# Altium PCB UZ_A_MAX11331_Daughter.PcbDoc (part 1 of 7) (continued)
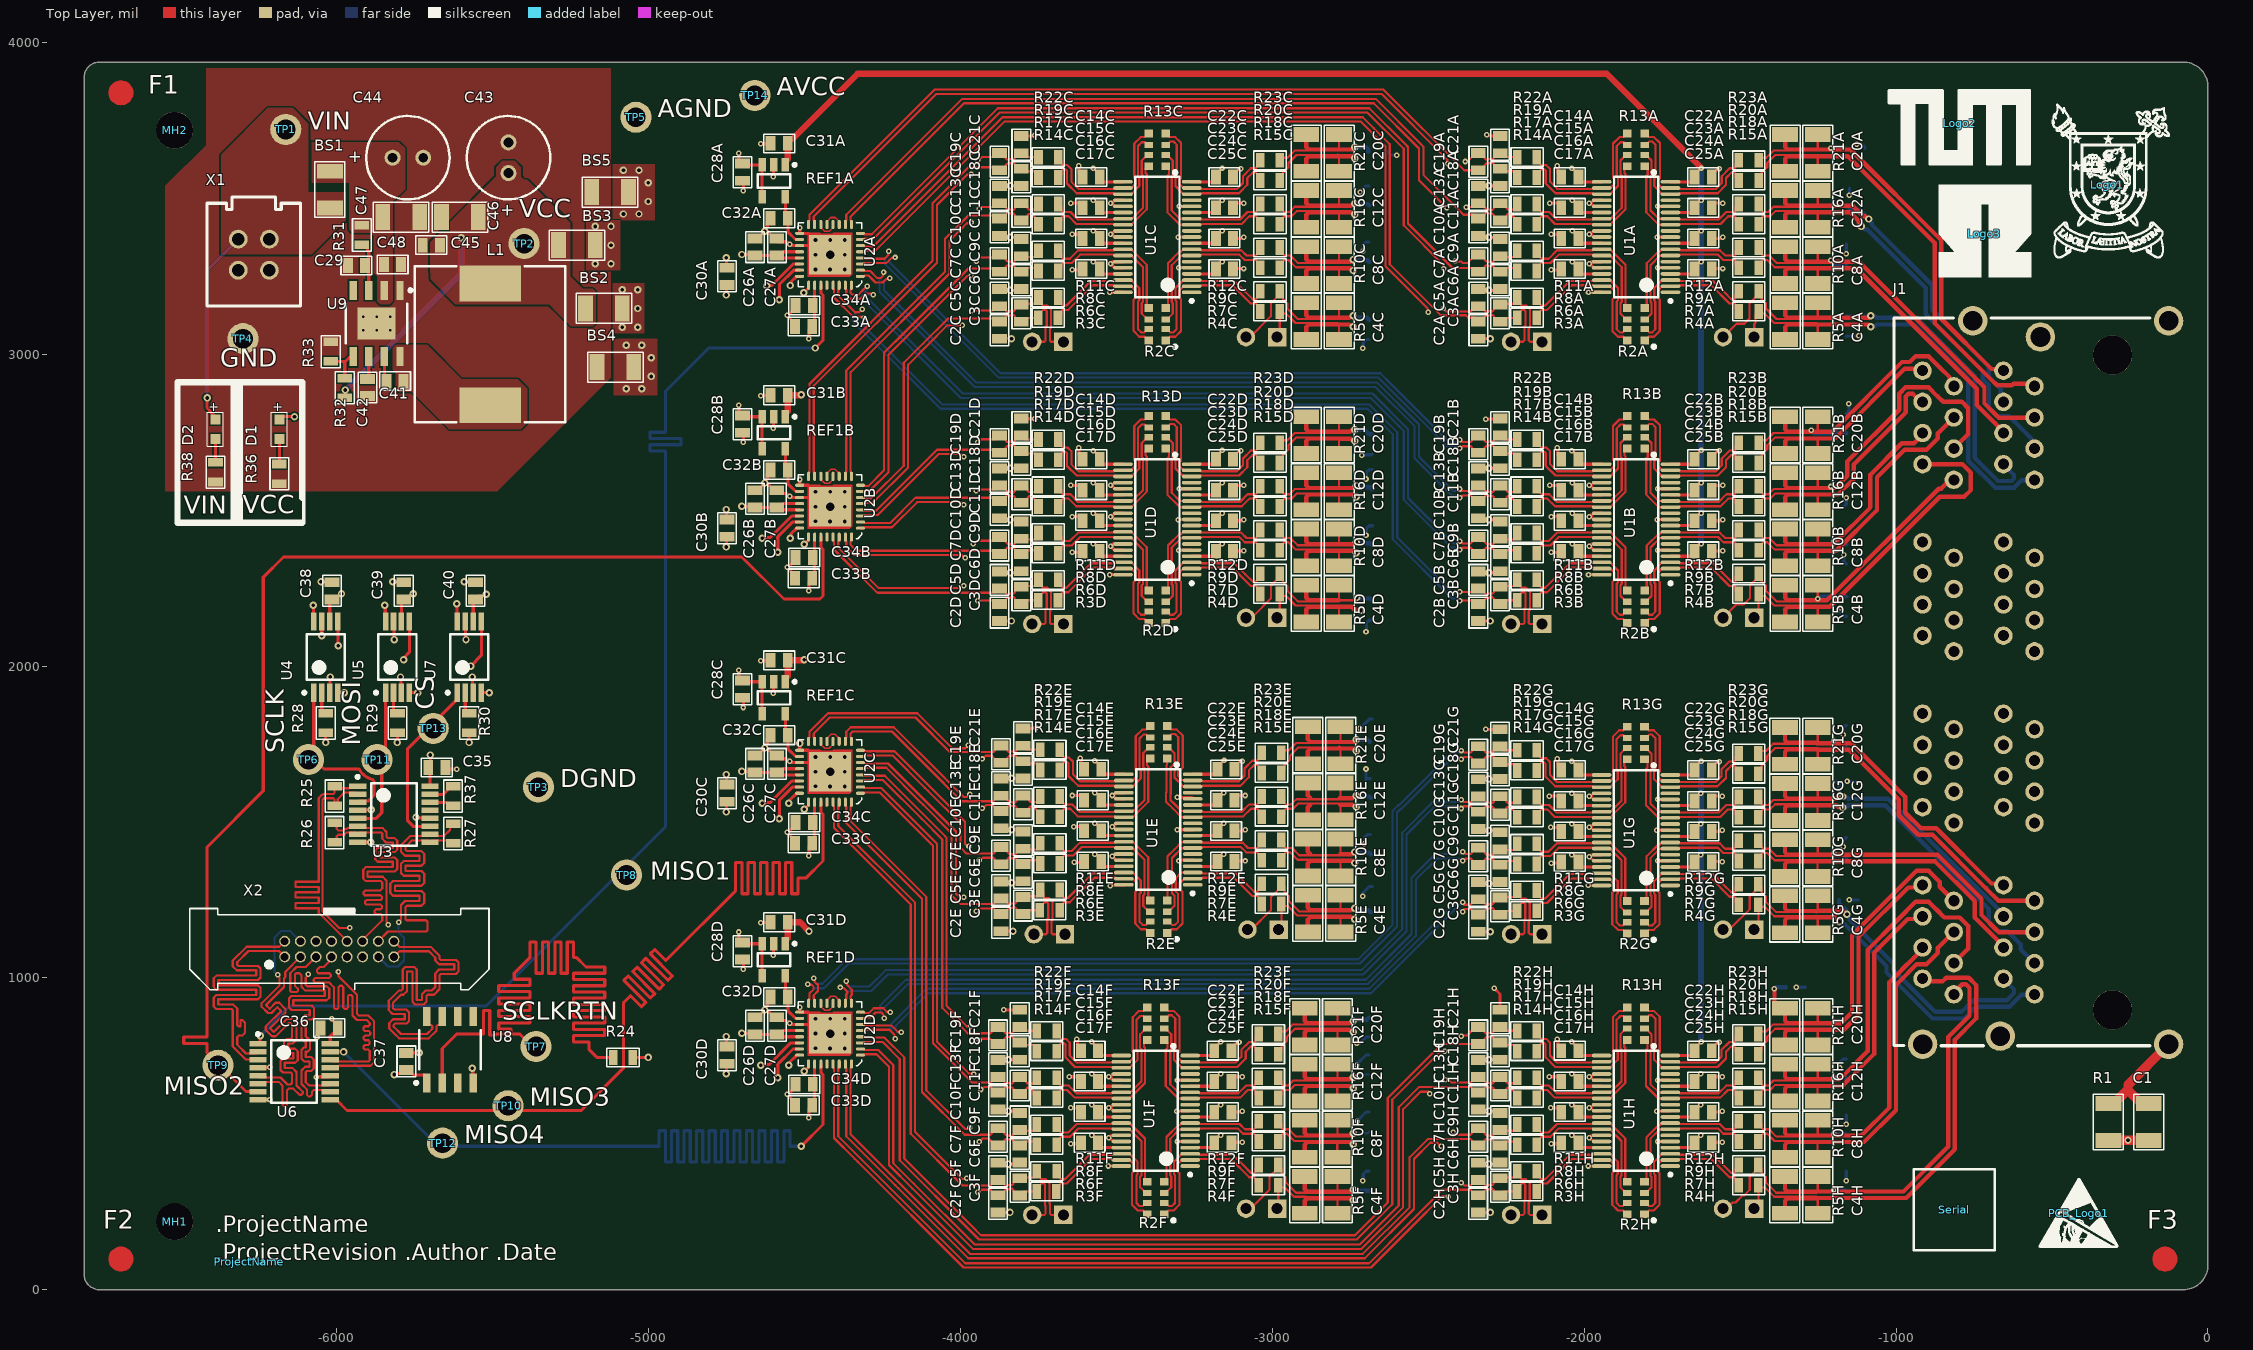
[diagram p0: Top Layer view]
## Classes and differential pairs (continued)
differential pair FB4H: +FB4H_P -FB4H_N
differential pair FB4G: +FB4G_P -FB4G_N
differential pair FB4F: +FB4F_P -FB4F_N
differential pair FB4E: +FB4E_P -FB4E_N
differential pair FB4D: +FB4D_P -FB4D_N
differential pair FB4C: +FB4C_P -FB4C_N
differential pair FB4B: +FB4B_P -FB4B_N
differential pair FB4A: +FB4A_P -FB4A_N
differential pair FB3H: +FB3H_P -FB3H_N
differential pair FB3G: +FB3G_P -FB3G_N
differential pair FB3F: +FB3F_P -FB3F_N
differential pair FB3E: +FB3E_P -FB3E_N
differential pair FB3D: +FB3D_P -FB3D_N
differential pair FB3C: +FB3C_P -FB3C_N
differential pair FB3B: +FB3B_P -FB3B_N
differential pair FB3A: +FB3A_P -FB3A_N
differential pair FB2H: +FB2H_P -FB2H_N
differential pair FB2G: +FB2G_P -FB2G_N
differential pair FB2F: +FB2F_P -FB2F_N
differential pair FB2E: +FB2E_P -FB2E_N
differential pair FB2D: +FB2D_P -FB2D_N
differential pair FB2C: +FB2C_P -FB2C_N
differential pair FB2B: +FB2B_P -FB2B_N
differential pair FB2A: +FB2A_P -FB2A_N
differential pair FB1H: +FB1H_P -FB1H_N
differential pair FB1G: +FB1G_P -FB1G_N
differential pair FB1F: +FB1F_P -FB1F_N
differential pair FB1E: +FB1E_P -FB1E_N
differential pair FB1D: +FB1D_P -FB1D_N
differential pair FB1C: +FB1C_P -FB1C_N
differential pair FB1B: +FB1B_P -FB1B_N
differential pair FB1A: +FB1A_P -FB1A_N
differential pair CS: +CS_P -CS_N
differential pair AIN4H: +AIN4H_P -AIN4H_N
differential pair AIN4G: +AIN4G_P -AIN4G_N
differential pair AIN4F: +AIN4F_P -AIN4F_N
differential pair AIN4E: +AIN4E_P -AIN4E_N
differential pair AIN4D: +AIN4D_P -AIN4D_N
differential pair AIN4C: +AIN4C_P -AIN4C_N
differential pair AIN4B: +AIN4B_P -AIN4B_N
differential pair AIN4A: +AIN4A_P -AIN4A_N
differential pair AIN3H: +AIN3H_P -AIN3H_N
differential pair AIN3G: +AIN3G_P -AIN3G_N
differential pair AIN3F: +AIN3F_P -AIN3F_N
differential pair AIN3E: +AIN3E_P -AIN3E_N
differential pair AIN3D: +AIN3D_P -AIN3D_N
differential pair AIN3C: +AIN3C_P -AIN3C_N
differential pair AIN3B: +AIN3B_P -AIN3B_N
differential pair AIN3A: +AIN3A_P -AIN3A_N
differential pair AIN2H: +AIN2H_P -AIN2H_N
differential pair AIN2G: +AIN2G_P -AIN2G_N
differential pair AIN2F: +AIN2F_P -AIN2F_N
differential pair AIN2E: +AIN2E_P -AIN2E_N
differential pair AIN2D: +AIN2D_P -AIN2D_N
differential pair AIN2C: +AIN2C_P -AIN2C_N
differential pair AIN2B: +AIN2B_P -AIN2B_N
differential pair AIN2A: +AIN2A_P -AIN2A_N
differential pair AIN1H: +AIN1H_P -AIN1H_N
differential pair AIN1G: +AIN1G_P -AIN1G_N
differential pair AIN1F: +AIN1F_P -AIN1F_N
differential pair AIN1E: +AIN1E_P -AIN1E_N
differential pair AIN1D: +AIN1D_P -AIN1D_N
differential pair AIN1C: +AIN1C_P -AIN1C_N
differential pair AIN1B: +AIN1B_P -AIN1B_N
differential pair AIN1A: +AIN1A_P -AIN1A_N
differential pair ADC_IN4H: +ADC_IN1H_P -ADC_IN1H_N
differential pair ADC_IN4G: +ADC_IN1G_P -ADC_IN1G_N
differential pair ADC_IN4F: +ADC_IN1F_P -ADC_IN1F_N
differential pair ADC_IN4E: +ADC_IN1E_P -ADC_IN1E_N
differential pair ADC_IN4D: +ADC_IN1D_P -ADC_IN1D_N
differential pair ADC_IN4C: +ADC_IN1C_P -ADC_IN1C_N
differential pair ADC_IN4B: +ADC_IN1B_P -ADC_IN1B_N
differential pair ADC_IN4A: +ADC_IN1A_P -ADC_IN1A_N
differential pair ADC_IN3H: +ADC_IN2H_P -ADC_IN2H_N
differential pair ADC_IN3G: +ADC_IN2G_P -ADC_IN2G_N
differential pair ADC_IN3F: +ADC_IN2F_P -ADC_IN2F_N
differential pair ADC_IN3E: +ADC_IN2E_P -ADC_IN2E_N
differential pair ADC_IN3D: +ADC_IN2D_P -ADC_IN2D_N
differential pair ADC_IN3C: +ADC_IN2C_P -ADC_IN2C_N
differential pair ADC_IN3B: +ADC_IN2B_P -ADC_IN2B_N
differential pair ADC_IN3A: +ADC_IN2A_P -ADC_IN2A_N
differential pair ADC_IN2H: +ADC_IN3H_P -ADC_IN3H_N
differential pair ADC_IN2G: +ADC_IN3G_P -ADC_IN3G_N
differential pair ADC_IN2F: +ADC_IN3F_P -ADC_IN3F_N
differential pair ADC_IN2E: +ADC_IN3E_P -ADC_IN3E_N
differential pair ADC_IN2D: +ADC_IN3D_P -ADC_IN3D_N
differential pair ADC_IN2C: +ADC_IN3C_P -ADC_IN3C_N
differential pair ADC_IN2B: +ADC_IN3B_P -ADC_IN3B_N
differential pair ADC_IN2A: +ADC_IN3A_P -ADC_IN3A_N
differential pair ADC_IN1H: +ADC_IN4H_P -ADC_IN4H_N
differential pair ADC_IN1G: +ADC_IN4G_P -ADC_IN4G_N
differential pair ADC_IN1F: +ADC_IN4F_P -ADC_IN4F_N
differential pair ADC_IN1E: +ADC_IN4E_P -ADC_IN4E_N
differential pair ADC_IN1D: +ADC_IN4D_P -ADC_IN4D_N
differential pair ADC_IN1C: +ADC_IN4C_P -ADC_IN4C_N
differential pair ADC_IN1B: +ADC_IN4B_P -ADC_IN4B_N
differential pair ADC_IN1A: +ADC_IN4A_P -ADC_IN4A_N

## Components (designator, comment, footprint, x,y, rotation, side; value= is the part's Value field where it differs from the comment)
BS1 "Ferrite bead" RES_1206 -6022.6,3468.98 r0 top
BS2 "Ferrite bead" RES_1206 -5085,3147 r90 top
BS3 "Ferrite bead" RES_1206 -5289.53,3350 r270 top
BS4 "Ferrite bead" RES_1206 -5047.89,2959 r90 top
BS5 "Ferrite bead" RES_1206 -5183.11,3520 r270 top
C1 "470pF" RES_1206 -190,597.01 r180 top
C2A "200pF" CAP_0603 -2339.81,3049.8 r180 top (schematic designator C2)
C2B "200pF" CAP_0603 -2339.81,2144.29 r180 top (schematic designator C2)
C2C "200pF" CAP_0603 -3875.24,3049.8 r180 top (schematic designator C2)
C2D "200pF" CAP_0603 -3875.24,2144.29 r180 top (schematic designator C2)
C2E "200pF" CAP_0603 -3870.23,1149.8 r180 top (schematic designator C2)
C2F "200pF" CAP_0603 -3880.28,247.76 r180 top (schematic designator C2)
C2G "200pF" CAP_0603 -2340.28,1147.76 r180 top (schematic designator C2)
C2H "200pF" CAP_0603 -2340.28,247.76 r180 top (schematic designator C2)
C3A "100pF" CAP_0603 -2269.81,3104.57 r180 top (schematic designator C3)
C3B "100pF" CAP_0603 -2269.81,2199.06 r180 top (schematic designator C3)
C3C "100pF" CAP_0603 -3805.24,3104.57 r180 top (schematic designator C3)
C3D "100pF" CAP_0603 -3805.24,2199.06 r180 top (schematic designator C3)
C3E "100pF" CAP_0603 -3800.23,1204.57 r180 top (schematic designator C3)
C3F "100pF" CAP_0603 -3810.28,302.52 r180 top (schematic designator C3)
C3G "100pF" CAP_0603 -2270.28,1202.52 r180 top (schematic designator C3)
C3H "100pF" CAP_0603 -2270.28,302.52 r180 top (schematic designator C3)
C4A "100nF" RES_1206 -1250.95,3047.05 r0 top (schematic designator C4)
C4B "100nF" RES_1206 -1250.95,2141.54 r0 top (schematic designator C4)
C4C "100nF" RES_1206 -2786.38,3047.05 r0 top (schematic designator C4)
C4D "100nF" RES_1206 -2786.38,2141.54 r0 top (schematic designator C4)
C4E "100nF" RES_1206 -2781.38,1147.05 r0 top (schematic designator C4)
C4F "100nF" RES_1206 -2791.42,245 r0 top (schematic designator C4)
C4G "100nF" RES_1206 -1251.42,1145 r0 top (schematic designator C4)
C4H "100nF" RES_1206 -1251.42,245 r0 top (schematic designator C4)
C5A "200pF" CAP_0603 -2339.81,3154.17 r180 top (schematic designator C5)
C5B "200pF" CAP_0603 -2339.81,2248.66 r180 top (schematic designator C5)
C5C "200pF" CAP_0603 -3875.24,3154.17 r180 top (schematic designator C5)
C5D "200pF" CAP_0603 -3875.24,2248.66 r180 top (schematic designator C5)
C5E "200pF" CAP_0603 -3870.23,1254.17 r180 top (schematic designator C5)
C5F "200pF" CAP_0603 -3880.28,352.13 r180 top (schematic designator C5)
C5G "200pF" CAP_0603 -2340.28,1252.13 r180 top (schematic designator C5)
C5H "200pF" CAP_0603 -2340.28,352.13 r180 top (schematic designator C5)
C6A "200pF" CAP_0603 -2269.81,3209.8 r180 top (schematic designator C6)
C6B "200pF" CAP_0603 -2269.81,2304.29 r180 top (schematic designator C6)
C6C "200pF" CAP_0603 -3805.24,3209.8 r180 top (schematic designator C6)
C6D "200pF" CAP_0603 -3805.24,2304.29 r180 top (schematic designator C6)
C6E "200pF" CAP_0603 -3800.23,1309.8 r180 top (schematic designator C6)
C6F "200pF" CAP_0603 -3810.28,407.76 r180 top (schematic designator C6)
C6G "200pF" CAP_0603 -2270.28,1307.76 r180 top (schematic designator C6)
C6H "200pF" CAP_0603 -2270.28,407.76 r180 top (schematic designator C6)
C7A "100pF" CAP_0603 -2339.81,3264.57 r180 top (schematic designator C7)
C7B "100pF" CAP_0603 -2339.81,2359.06 r180 top (schematic designator C7)
C7C "100pF" CAP_0603 -3875.24,3264.57 r180 top (schematic designator C7)
C7D "100pF" CAP_0603 -3875.24,2359.06 r180 top (schematic designator C7)
C7E "100pF" CAP_0603 -3870.23,1364.57 r180 top (schematic designator C7)
C7F "100pF" CAP_0603 -3880.28,462.52 r180 top (schematic designator C7)
C7G "100pF" CAP_0603 -2340.28,1362.52 r180 top (schematic designator C7)
C7H "100pF" CAP_0603 -2340.28,462.52 r180 top (schematic designator C7)
C8A "100nF" RES_1206 -1250.95,3227.05 r0 top (schematic designator C8)
C8B "100nF" RES_1206 -1250.95,2321.54 r0 top (schematic designator C8)
C8C "100nF" RES_1206 -2786.38,3227.05 r0 top (schematic designator C8)
C8D "100nF" RES_1206 -2786.38,2321.54 r0 top (schematic designator C8)
C8E "100nF" RES_1206 -2781.38,1327.05 r0 top (schematic designator C8)
C8F "100nF" RES_1206 -2791.42,425 r0 top (schematic designator C8)
C8G "100nF" RES_1206 -1251.42,1325 r0 top (schematic designator C8)
C8H "100nF" RES_1206 -1251.42,425 r0 top (schematic designator C8)
C9A "200pF" CAP_0603 -2269.81,3314.17 r180 top (schematic designator C9)
C9B "200pF" CAP_0603 -2269.81,2408.66 r180 top (schematic designator C9)
C9C "200pF" CAP_0603 -3805.24,3314.17 r180 top (schematic designator C9)
C9D "200pF" CAP_0603 -3805.24,2408.66 r180 top (schematic designator C9)
C9E "200pF" CAP_0603 -3800.23,1414.17 r180 top (schematic designator C9)
C9F "200pF" CAP_0603 -3810.28,512.13 r180 top (schematic designator C9)
C9G "200pF" CAP_0603 -2270.28,1412.13 r180 top (schematic designator C9)
C9H "200pF" CAP_0603 -2270.28,512.13 r180 top (schematic designator C9)
C10A "200pF" CAP_0603 -2339.81,3379.8 r180 top (schematic designator C10)
C10B "200pF" CAP_0603 -2339.81,2474.29 r180 top (schematic designator C10)
C10C "200pF" CAP_0603 -3875.24,3379.8 r180 top (schematic designator C10)
C10D "200pF" CAP_0603 -3875.24,2474.29 r180 top (schematic designator C10)
C10E "200pF" CAP_0603 -3870.23,1479.8 r180 top (schematic designator C10)
C10F "200pF" CAP_0603 -3880.28,577.76 r180 top (schematic designator C10)
C10G "200pF" CAP_0603 -2340.28,1477.76 r180 top (schematic designator C10)
C10H "200pF" CAP_0603 -2340.28,577.76 r180 top (schematic designator C10)
C11A "100pF" CAP_0603 -2269.81,3429.45 r180 top (schematic designator C11)
C11B "100pF" CAP_0603 -2269.81,2523.94 r180 top (schematic designator C11)
C11C "100pF" CAP_0603 -3805.24,3429.45 r180 top (schematic designator C11)
C11D "100pF" CAP_0603 -3805.24,2523.94 r180 top (schematic designator C11)
C11E "100pF" CAP_0603 -3800.23,1529.45 r180 top (schematic designator C11)
C11F "100pF" CAP_0603 -3810.28,627.4 r180 top (schematic designator C11)
C11G "100pF" CAP_0603 -2270.28,1527.4 r180 top (schematic designator C11)
C11H "100pF" CAP_0603 -2270.28,627.4 r180 top (schematic designator C11)
C12A "100nF" RES_1206 -1250.95,3407.05 r0 top (schematic designator C12)
C12B "100nF" RES_1206 -1250.95,2501.54 r0 top (schematic designator C12)
C12C "100nF" RES_1206 -2786.38,3407.05 r0 top (schematic designator C12)
C12D "100nF" RES_1206 -2786.38,2501.54 r0 top (schematic designator C12)
C12E "100nF" RES_1206 -2781.38,1507.05 r0 top (schematic designator C12)
C12F "100nF" RES_1206 -2791.42,605 r0 top (schematic designator C12)
C12G "100nF" RES_1206 -1251.42,1505 r0 top (schematic designator C12)
C12H "100nF" RES_1206 -1251.42,605 r0 top (schematic designator C12)
C13A "200pF" CAP_0603 -2339.81,3484.17 r180 top (schematic designator C13)
C13B "200pF" CAP_0603 -2339.81,2578.66 r180 top (schematic designator C13)
C13C "200pF" CAP_0603 -3875.24,3484.17 r180 top (schematic designator C13)
C13D "200pF" CAP_0603 -3875.24,2578.66 r180 top (schematic designator C13)
C13E "200pF" CAP_0603 -3870.23,1584.17 r180 top (schematic designator C13)
C13F "200pF" CAP_0603 -3880.28,682.13 r180 top (schematic designator C13)
C13G "200pF" CAP_0603 -2340.28,1582.13 r180 top (schematic designator C13)
C13H "200pF" CAP_0603 -2340.28,682.13 r180 top (schematic designator C13)
C14A "100nF" CAP_0603 -2018.49,3568.74 r270 top (schematic designator C14)
C14B "100nF" CAP_0603 -2018.49,2663.23 r270 top (schematic designator C14)
C14C "100nF" CAP_0603 -3553.93,3568.74 r270 top (schematic designator C14)
C14D "100nF" CAP_0603 -3553.93,2663.23 r270 top (schematic designator C14)
C14E "100nF" CAP_0603 -3548.92,1668.74 r270 top (schematic designator C14)
C14F "100nF" CAP_0603 -3558.97,766.69 r270 top (schematic designator C14)
C14G "100nF" CAP_0603 -2018.97,1666.69 r270 top (schematic designator C14)
C14H "100nF" CAP_0603 -2018.97,766.69 r270 top (schematic designator C14)
C15A "100nF" CAP_0603 -2018.49,3469.63 r270 top (schematic designator C15)
C15B "100nF" CAP_0603 -2018.49,2564.12 r270 top (schematic designator C15)
C15C "100nF" CAP_0603 -3553.93,3469.63 r270 top (schematic designator C15)
C15D "100nF" CAP_0603 -3553.93,2564.12 r270 top (schematic designator C15)
C15E "100nF" CAP_0603 -3548.92,1569.63 r270 top (schematic designator C15)
C15F "100nF" CAP_0603 -3558.97,667.58 r270 top (schematic designator C15)
C15G "100nF" CAP_0603 -2018.97,1567.58 r270 top (schematic designator C15)
C15H "100nF" CAP_0603 -2018.97,667.58 r270 top (schematic designator C15)
C16A "100nF" CAP_0603 -2018.49,3371.58 r270 top (schematic designator C16)
C16B "100nF" CAP_0603 -2018.49,2466.07 r270 top (schematic designator C16)
C16C "100nF" CAP_0603 -3553.93,3371.58 r270 top (schematic designator C16)
C16D "100nF" CAP_0603 -3553.93,2466.07 r270 top (schematic designator C16)
C16E "100nF" CAP_0603 -3548.92,1471.58 r270 top (schematic designator C16)
C16F "100nF" CAP_0603 -3558.97,569.53 r270 top (schematic designator C16)
C16G "100nF" CAP_0603 -2018.97,1469.53 r270 top (schematic designator C16)
C16H "100nF" CAP_0603 -2018.97,569.53 r270 top (schematic designator C16)
C17A "100nF" CAP_0603 -2018.49,3273.46 r270 top (schematic designator C17)
C17B "100nF" CAP_0603 -2018.49,2367.95 r270 top (schematic designator C17)
C17C "100nF" CAP_0603 -3553.93,3273.46 r270 top (schematic designator C17)
C17D "100nF" CAP_0603 -3553.93,2367.95 r270 top (schematic designator C17)
C17E "100nF" CAP_0603 -3548.92,1373.46 r270 top (schematic designator C17)
C17F "100nF" CAP_0603 -3558.97,471.42 r270 top (schematic designator C17)
C17G "100nF" CAP_0603 -2018.97,1371.42 r270 top (schematic designator C17)
C17H "100nF" CAP_0603 -2018.97,471.42 r270 top (schematic designator C17)
C18A "200pF" CAP_0603 -2269.81,3539.8 r180 top (schematic designator C18)
C18B "200pF" CAP_0603 -2269.81,2634.29 r180 top (schematic designator C18)
C18C "200pF" CAP_0603 -3805.24,3539.8 r180 top (schematic designator C18)
C18D "200pF" CAP_0603 -3805.24,2634.29 r180 top (schematic designator C18)
C18E "200pF" CAP_0603 -3800.23,1639.8 r180 top (schematic designator C18)
C18F "200pF" CAP_0603 -3810.28,737.76 r180 top (schematic designator C18)
C18G "200pF" CAP_0603 -2270.28,1637.76 r180 top (schematic designator C18)
C18H "200pF" CAP_0603 -2270.28,737.76 r180 top (schematic designator C18)
C19A "100pF" CAP_0603 -2339.81,3589.88 r180 top (schematic designator C19)
C19B "100pF" CAP_0603 -2339.81,2684.37 r180 top (schematic designator C19)
C19C "100pF" CAP_0603 -3875.24,3589.88 r180 top (schematic designator C19)
C19D "100pF" CAP_0603 -3875.24,2684.37 r180 top (schematic designator C19)
C19E "100pF" CAP_0603 -3870.23,1689.88 r180 top (schematic designator C19)
C19F "100pF" CAP_0603 -3880.28,787.84 r180 top (schematic designator C19)
C19G "100pF" CAP_0603 -2340.28,1687.84 r180 top (schematic designator C19)
C19H "100pF" CAP_0603 -2340.28,787.84 r180 top (schematic designator C19)
C20A "100nF" RES_1206 -1250.95,3587.05 r0 top (schematic designator C20)
C20B "100nF" RES_1206 -1250.95,2681.54 r0 top (schematic designator C20)
C20C "100nF" RES_1206 -2786.38,3587.05 r0 top (schematic designator C20)
C20D "100nF" RES_1206 -2786.38,2681.54 r0 top (schematic designator C20)
C20E "100nF" RES_1206 -2781.38,1687.05 r0 top (schematic designator C20)
C20F "100nF" RES_1206 -2791.42,785 r0 top (schematic designator C20)
C20G "100nF" RES_1206 -1251.42,1685 r0 top (schematic designator C20)
C20H "100nF" RES_1206 -1251.42,785 r0 top (schematic designator C20)
C21A "200pF" CAP_0603 -2269.81,3644.57 r180 top (schematic designator C21)
C21B "200pF" CAP_0603 -2269.81,2739.06 r180 top (schematic designator C21)
C21C "200pF" CAP_0603 -3805.24,3644.57 r180 top (schematic designator C21)
C21D "200pF" CAP_0603 -3805.24,2739.06 r180 top (schematic designator C21)
C21E "200pF" CAP_0603 -3800.23,1744.57 r180 top (schematic designator C21)
C21F "200pF" CAP_0603 -3810.28,842.52 r180 top (schematic designator C21)
C21G "200pF" CAP_0603 -2270.28,1742.52 r180 top (schematic designator C21)
C21H "200pF" CAP_0603 -2270.28,842.52 r180 top (schematic designator C21)
C22A "100nF" CAP_0603 -1590.95,3568.74 r270 top (schematic designator C22)
C22B "100nF" CAP_0603 -1590.95,2663.23 r270 top (schematic designator C22)
C22C "100nF" CAP_0603 -3126.38,3568.74 r270 top (schematic designator C22)
C22D "100nF" CAP_0603 -3126.38,2663.23 r270 top (schematic designator C22)
C22E "100nF" CAP_0603 -3121.38,1668.74 r270 top (schematic designator C22)
C22F "100nF" CAP_0603 -3131.42,766.69 r270 top (schematic designator C22)
C22G "100nF" CAP_0603 -1591.42,1666.69 r270 top (schematic designator C22)
C22H "100nF" CAP_0603 -1591.42,766.69 r270 top (schematic designator C22)
C23A "100nF" CAP_0603 -1590.95,3469.63 r270 top (schematic designator C23)
C23B "100nF" CAP_0603 -1590.95,2564.12 r270 top (schematic designator C23)
C23C "100nF" CAP_0603 -3126.38,3469.63 r270 top (schematic designator C23)
C23D "100nF" CAP_0603 -3126.38,2564.12 r270 top (schematic designator C23)
C23E "100nF" CAP_0603 -3121.38,1569.63 r270 top (schematic designator C23)
C23F "100nF" CAP_0603 -3131.42,667.58 r270 top (schematic designator C23)
C23G "100nF" CAP_0603 -1591.42,1567.58 r270 top (schematic designator C23)
C23H "100nF" CAP_0603 -1591.42,667.58 r270 top (schematic designator C23)
C24A "100nF" CAP_0603 -1590.95,3371.58 r270 top (schematic designator C24)
C24B "100nF" CAP_0603 -1590.95,2466.07 r270 top (schematic designator C24)
C24C "100nF" CAP_0603 -3126.38,3371.58 r270 top (schematic designator C24)
C24D "100nF" CAP_0603 -3126.38,2466.07 r270 top (schematic designator C24)
C24E "100nF" CAP_0603 -3121.38,1471.58 r270 top (schematic designator C24)
C24F "100nF" CAP_0603 -3131.42,569.53 r270 top (schematic designator C24)
C24G "100nF" CAP_0603 -1591.42,1469.53 r270 top (schematic designator C24)
C24H "100nF" CAP_0603 -1591.42,569.53 r270 top (schematic designator C24)
C25A "100nF" CAP_0603 -1590.95,3273.46 r270 top (schematic designator C25)
C25B "100nF" CAP_0603 -1590.95,2367.95 r270 top (schematic designator C25)
C25C "100nF" CAP_0603 -3126.38,3273.46 r270 top (schematic designator C25)
C25D "100nF" CAP_0603 -3126.38,2367.95 r270 top (schematic designator C25)
C25E "100nF" CAP_0603 -3121.38,1373.46 r270 top (schematic designator C25)
C25F "100nF" CAP_0603 -3131.42,471.42 r270 top (schematic designator C25)
C25G "100nF" CAP_0603 -1591.42,1371.42 r270 top (schematic designator C25)
C25H "100nF" CAP_0603 -1591.42,471.42 r270 top (schematic designator C25)
C26A "10uF" CAP_0603 -4659.34,3316.34 r180 top (schematic designator C26)
C26B "10uF" CAP_0603 -4659.34,2508.54 r180 top (schematic designator C26)
C26C "10uF" CAP_0603 -4659.34,1658.54 r180 top (schematic designator C26)
C26D "10uF" CAP_0603 -4659.34,818.54 r180 top (schematic designator C26)
C27A "100nF" CAP_0603 -4589.34,3316.34 r180 top (schematic designator C27)
C27B "100nF" CAP_0603 -4589.34,2508.54 r180 top (schematic designator C27)
C27C "100nF" CAP_0603 -4589.34,1658.54 r180 top (schematic designator C27)
C27D "100nF" CAP_0603 -4589.34,818.54 r180 top (schematic designator C27)
C28A "100nF" CAP_0603 -4699.34,3611.46 r0 top (schematic designator C28)
C28B "100nF" CAP_0603 -4699.34,2803.66 r0 top (schematic designator C28)
C28C "100nF" CAP_0603 -4699.34,1953.66 r0 top (schematic designator C28)
C28D "100nF" CAP_0603 -4699.34,1113.66 r0 top (schematic designator C28)
C29 "1µF" CAP_0603 -5909.88,3285 r270 top
C30A "100nF" CAP_0603 -4749.57,3277.64 r0 top (schematic designator C30)
C30B "100nF" CAP_0603 -4749.57,2469.84 r0 top (schematic designator C30)
C30C "100nF" CAP_0603 -4749.57,1619.84 r0 top (schematic designator C30)
C30D "100nF" CAP_0603 -4749.57,779.84 r0 top (schematic designator C30)
C31A "470nF" CAP_0603 -4554.22,3676.34 r270 top (schematic designator C31)
C31B "470nF" CAP_0603 -4554.22,2868.54 r270 top (schematic designator C31)
C31C "470nF" CAP_0603 -4554.22,2018.54 r270 top (schematic designator C31)
C31D "470nF" CAP_0603 -4554.22,1178.54 r270 top (schematic designator C31)
C32A "470nF" CAP_0603 -4554.22,3436.34 r270 top (schematic designator C32)
C32B "470nF" CAP_0603 -4554.22,2628.54 r270 top (schematic designator C32)
C32C "470nF" CAP_0603 -4554.22,1778.54 r270 top (schematic designator C32)
C32D "470nF" CAP_0603 -4554.22,938.54 r270 top (schematic designator C32)
C33A "10uF" CAP_0603 -4475.71,3089.29 r270 top (schematic designator C33)
C33B "10uF" CAP_0603 -4475.71,2281.5 r270 top (schematic designator C33)
C33C "10uF" CAP_0603 -4475.71,1431.5 r270 top (schematic designator C33)
C33D "10uF" CAP_0603 -4475.71,591.5 r270 top (schematic designator C33)
C34A "100nF" CAP_0603 -4474.22,3156.34 r270 top (schematic designator C34)
C34B "100nF" CAP_0603 -4474.22,2348.54 r270 top (schematic designator C34)
C34C "100nF" CAP_0603 -4474.22,1498.54 r270 top (schematic designator C34)
C34D "100nF" CAP_0603 -4474.22,658.54 r270 top (schematic designator C34)
C35 "100nF" CAP_0603 -5707.57,1674.57 r90 top
C36 "100nF" CAP_0603 -5997.57,839.57 r270 top
C37 "100nF" CAP_0603 -5777.56,704.45 r180 top
C38 "100nF" CAP_0603 -6015.99,2213.74 r180 top
C39 "100nF" CAP_0603 -5785.99,2213.74 r180 top
C40 "100nF" CAP_0603 -5555.99,2213.74 r180 top
C41 "100nF" CAP_0603 -5786.38,2913.86 r270 top
C42 "1µF" CAP_0603 -5902,2921 r0 top
C43 "68µF" WCAP-ATG8_6.3X11 -5450,3630.39 r270 top
C44 "68µF" WCAP-ATG8_6.3X11 -5772.6,3630.39 r180 top
C45 "100nF" CAP_0603 -5669.88,3350 r270 top
C46 "10µF" RES_1206 -5546.89,3440 r90 top
C47 "10µF" RES_1206 -5853.11,3440 r270 top
C48 "100nF" CAP_0603 -5849.38,3287.87 r90 top
D1 "VCC" WL-SMCW_0603_H=0.7mm -6184.65,2759.68 r90 top
D2 "VIN" WL-SMCW_0603_H=0.7mm -6389.69,2759.68 r90 top
F1 "Fiducial" Fiducial_1.7mm -6692.91,3838.58 r0 top
F2 "Fiducial" Fiducial_1.7mm -6692.91,98.43 r0 top
F3 "Fiducial" Fiducial_1.7mm -137.8,98.43 r0 top
J1 "Conector RJ-45 4x2" "RJ45 - 4X2" -520.49,1947.4 r90 top
L1 "15mH" SMT_inductor_1050_Performance -5508,3032 r180 top
Logo1 "LOGO USACH" "LOGO USACH" -322.84,3543.31 r0 top
Logo2 "LOGO TUM" "LOGO TUM" -795.28,3740.16 r0 top
Logo3 "LOGO G.S. Ohm" "LOGO G.S.OHM UNIVERSITY" -716.54,3385.83 r0 top
MH1 "MH_3mm" "MOUNTING HOLE" -6520.87,218.5 r0 top
MH2 "MH_3mm" "MOUNTING HOLE" -6520.87,3718.5 r0 top
P1A "TP AIN CH4" HDR1X2 -1455,3055 r180 bottom (schematic designator P1)
P1B "TP AIN CH4" HDR1X2 -1455,2155 r180 bottom (schematic designator P1)
P1C "TP AIN CH4" HDR1X2 -2985,3055 r180 bottom (schematic designator P1)
P1D "TP AIN CH4" HDR1X2 -2985,2155 r180 bottom (schematic designator P1)
P1E "TP AIN CH4" HDR1X2 -2979.99,1155 r180 bottom (schematic designator P1)
P1F "TP AIN CH4" HDR1X2 -2985,260 r180 bottom (schematic designator P1)
P1G "TP AIN CH4" HDR1X2 -1455,1155 r180 bottom (schematic designator P1)
P1H "TP AIN CH4" HDR1X2 -1455,260 r180 bottom (schematic designator P1)
P2A "TP ADCIN CH4" HDR1X2 -2135,3040 r180 bottom (schematic designator P2)
P2B "TP ADCIN CH4" HDR1X2 -2135,2135 r180 bottom (schematic designator P2)
P2C "TP ADCIN CH4" HDR1X2 -3670.42,3040 r180 bottom (schematic designator P2)
P2D "TP ADCIN CH4" HDR1X2 -3670.42,2135 r180 bottom (schematic designator P2)
P2E "TP ADCIN CH4" HDR1X2 -3665.42,1140 r180 bottom (schematic designator P2)
P2F "TP ADCIN CH4" HDR1X2 -3670.42,240 r180 bottom (schematic designator P2)
P2G "TP ADCIN CH4" HDR1X2 -2135,1140 r180 bottom (schematic designator P2)
P2H "TP ADCIN CH4" HDR1X2 -2135,240 r180 bottom (schematic designator P2)
PCB_Logo1 "ESD Susceptible" ESD_OVERLAY_MEDIUM -414.38,246.06 r0 top
ProjectName "Project Name, Rev" ID_PROJECTREV -6281.42,90 r0 top
R1 "1M" RES_1206 -318.99,597.01 r180 top
R2A "10k" CAC-80P320X160-8N -1833.95,3096.3 r180 top (schematic designator R2)
R2B "10k" CAC-80P320X160-8N -1833.95,2190.79 r180 top (schematic designator R2)
R2C "10k" CAC-80P320X160-8N -3369.38,3096.3 r180 top (schematic designator R2)
R2D "10k" CAC-80P320X160-8N -3369.38,2190.79 r180 top (schematic designator R2)
R2E "10k" CAC-80P320X160-8N -3364.38,1196.3 r180 top (schematic designator R2)
R2F "10k" CAC-80P320X160-8N -3374.42,294.25 r180 top (schematic designator R2)
R2G "10k" CAC-80P320X160-8N -1834.42,1194.25 r180 top (schematic designator R2)
R2H "10k" CAC-80P320X160-8N -1834.42,294.25 r180 top (schematic designator R2)
R3A "48.7" RES_0603 -2215.23,3117.05 r90 top (schematic designator R3)
R3B "48.7" RES_0603 -2215.23,2211.54 r90 top (schematic designator R3)
R3C "48.7" RES_0603 -3750.66,3117.05 r90 top (schematic designator R3)
R3D "48.7" RES_0603 -3750.66,2211.54 r90 top (schematic designator R3)
R3E "48.7" RES_0603 -3745.66,1217.05 r90 top (schematic designator R3)
R3F "48.7" RES_0603 -3755.7,315 r90 top (schematic designator R3)
R3G "48.7" RES_0603 -2215.7,1215 r90 top (schematic designator R3)
R3H "48.7" RES_0603 -2215.7,315 r90 top (schematic designator R3)
R4A "24.3k" RES_0603 -1503.94,3137.05 r90 top (schematic designator R4)
R4B "24.3k" RES_0603 -1503.94,2231.54 r90 top (schematic designator R4)
R4C "24.3k" RES_0603 -3039.38,3137.05 r90 top (schematic designator R4)
R4D "24.3k" RES_0603 -3039.38,2231.54 r90 top (schematic designator R4)
R4E "24.3k" RES_0603 -3034.37,1237.05 r90 top (schematic designator R4)
R4F "24.3k" RES_0603 -3044.41,335 r90 top (schematic designator R4)
R4G "24.3k" RES_0603 -1504.41,1235 r90 top (schematic designator R4)
R4H "24.3k" RES_0603 -1504.41,335 r90 top (schematic designator R4)
R5A "160R" RES_1206 -1355.95,3047.05 r0 top (schematic designator R5)
R5B "160R" RES_1206 -1355.95,2141.54 r0 top (schematic designator R5)
R5C "160R" RES_1206 -2891.38,3047.05 r0 top (schematic designator R5)
R5D "160R" RES_1206 -2891.38,2141.54 r0 top (schematic designator R5)
R5E "160R" RES_1206 -2886.38,1147.05 r0 top (schematic designator R5)
R5F "160R" RES_1206 -2896.42,245 r0 top (schematic designator R5)
R5G "160R" RES_1206 -1356.42,1145 r0 top (schematic designator R5)
R5H "160R" RES_1206 -1356.42,245 r0 top (schematic designator R5)
R6A "48.7" RES_0603 -2214.81,3182.05 r90 top (schematic designator R6)
R6B "48.7" RES_0603 -2214.81,2276.54 r90 top (schematic designator R6)
R6C "48.7" RES_0603 -3750.24,3182.05 r90 top (schematic designator R6)
R6D "48.7" RES_0603 -3750.24,2276.54 r90 top (schematic designator R6)
R6E "48.7" RES_0603 -3745.23,1282.05 r90 top (schematic designator R6)
R6F "48.7" RES_0603 -3755.28,380 r90 top (schematic designator R6)
R6G "48.7" RES_0603 -2215.28,1280 r90 top (schematic designator R6)
R6H "48.7" RES_0603 -2215.28,380 r90 top (schematic designator R6)
R7A "24.3k" RES_0603 -1503.94,3202.05 r90 top (schematic designator R7)
R7B "24.3k" RES_0603 -1503.94,2296.54 r90 top (schematic designator R7)
R7C "24.3k" RES_0603 -3039.38,3202.05 r90 top (schematic designator R7)
R7D "24.3k" RES_0603 -3039.38,2296.54 r90 top (schematic designator R7)
R7E "24.3k" RES_0603 -3034.37,1302.05 r90 top (schematic designator R7)
R7F "24.3k" RES_0603 -3044.41,400 r90 top (schematic designator R7)
R7G "24.3k" RES_0603 -1504.41,1300 r90 top (schematic designator R7)
R7H "24.3k" RES_0603 -1504.41,400 r90 top (schematic designator R7)
R8A "48.7" RES_0603 -2214.81,3267.05 r90 top (schematic designator R8)
R8B "48.7" RES_0603 -2214.81,2361.54 r90 top (schematic designator R8)
R8C "48.7" RES_0603 -3750.24,3267.05 r90 top (schematic designator R8)
R8D "48.7" RES_0603 -3750.24,2361.54 r90 top (schematic designator R8)
R8E "48.7" RES_0603 -3745.23,1367.05 r90 top (schematic designator R8)
R8F "48.7" RES_0603 -3755.28,465 r90 top (schematic designator R8)
R8G "48.7" RES_0603 -2215.28,1365 r90 top (schematic designator R8)
R8H "48.7" RES_0603 -2215.28,465 r90 top (schematic designator R8)
R9A "24.3k" RES_0603 -1503.94,3277.05 r90 top (schematic designator R9)
R9B "24.3k" RES_0603 -1503.94,2371.54 r90 top (schematic designator R9)
R9C "24.3k" RES_0603 -3039.38,3277.05 r90 top (schematic designator R9)
R9D "24.3k" RES_0603 -3039.38,2371.54 r90 top (schematic designator R9)
R9E "24.3k" RES_0603 -3034.37,1377.05 r90 top (schematic designator R9)
R9F "24.3k" RES_0603 -3044.41,475 r90 top (schematic designator R9)
R9G "24.3k" RES_0603 -1504.41,1375 r90 top (schematic designator R9)
R9H "24.3k" RES_0603 -1504.41,475 r90 top (schematic designator R9)
R10A "160R" RES_1206 -1355.95,3227.05 r0 top (schematic designator R10)
R10B "160R" RES_1206 -1355.95,2321.54 r0 top (schematic designator R10)
R10C "160R" RES_1206 -2891.38,3227.05 r0 top (schematic designator R10)
R10D "160R" RES_1206 -2891.38,2321.54 r0 top (schematic designator R10)
R10E "160R" RES_1206 -2886.38,1327.05 r0 top (schematic designator R10)
R10F "160R" RES_1206 -2896.42,425 r0 top (schematic designator R10)
R10G "160R" RES_1206 -1356.42,1325 r0 top (schematic designator R10)
R10H "160R" RES_1206 -1356.42,425 r0 top (schematic designator R10)
R11A "48.7" RES_0603 -2214.81,3332.05 r90 top (schematic designator R11)
R11B "48.7" RES_0603 -2214.81,2426.54 r90 top (schematic designator R11)
R11C "48.7" RES_0603 -3750.24,3332.05 r90 top (schematic designator R11)
R11D "48.7" RES_0603 -3750.24,2426.54 r90 top (schematic designator R11)
R11E "48.7" RES_0603 -3745.23,1432.05 r90 top (schematic designator R11)
R11F "48.7" RES_0603 -3755.28,530 r90 top (schematic designator R11)
R11G "48.7" RES_0603 -2215.28,1430 r90 top (schematic designator R11)
R11H "48.7" RES_0603 -2215.28,530 r90 top (schematic designator R11)
R12A "24.3k" RES_0603 -1503.94,3342.05 r90 top (schematic designator R12)
R12B "24.3k" RES_0603 -1503.94,2436.54 r90 top (schematic designator R12)
R12C "24.3k" RES_0603 -3039.38,3342.05 r90 top (schematic designator R12)
R12D "24.3k" RES_0603 -3039.38,2436.54 r90 top (schematic designator R12)
R12E "24.3k" RES_0603 -3034.37,1442.05 r90 top (schematic designator R12)
R12F "24.3k" RES_0603 -3044.41,540 r90 top (schematic designator R12)
R12G "24.3k" RES_0603 -1504.41,1440 r90 top (schematic designator R12)
R12H "24.3k" RES_0603 -1504.41,540 r90 top (schematic designator R12)
R13A "10k" CAC-80P320X160-8N -1833.95,3655.35 r180 top (schematic designator R13)
R13B "10k" CAC-80P320X160-8N -1833.95,2749.84 r180 top (schematic designator R13)
R13C "10k" CAC-80P320X160-8N -3369.38,3655.35 r180 top (schematic designator R13)
R13D "10k" CAC-80P320X160-8N -3369.38,2749.84 r180 top (schematic designator R13)
R13E "10k" CAC-80P320X160-8N -3364.38,1755.35 r180 top (schematic designator R13)
R13F "10k" CAC-80P320X160-8N -3374.42,853.31 r180 top (schematic designator R13)
R13G "10k" CAC-80P320X160-8N -1834.42,1753.31 r180 top (schematic designator R13)
R13H "10k" CAC-80P320X160-8N -1834.42,853.31 r180 top (schematic designator R13)
R14A "48.7" RES_0603 -2214.81,3417.05 r90 top (schematic designator R14)
R14B "48.7" RES_0603 -2214.81,2511.54 r90 top (schematic designator R14)
R14C "48.7" RES_0603 -3750.24,3417.05 r90 top (schematic designator R14)
R14D "48.7" RES_0603 -3750.24,2511.54 r90 top (schematic designator R14)
R14E "48.7" RES_0603 -3745.23,1517.05 r90 top (schematic designator R14)
R14F "48.7" RES_0603 -3755.28,615 r90 top (schematic designator R14)
R14G "48.7" RES_0603 -2215.28,1515 r90 top (schematic designator R14)
R14H "48.7" RES_0603 -2215.28,615 r90 top (schematic designator R14)
R15A "24.3k" RES_0603 -1503.94,3417.05 r90 top (schematic designator R15)
R15B "24.3k" RES_0603 -1503.94,2511.54 r90 top (schematic designator R15)
R15C "24.3k" RES_0603 -3039.38,3417.05 r90 top (schematic designator R15)
R15D "24.3k" RES_0603 -3039.38,2511.54 r90 top (schematic designator R15)
R15E "24.3k" RES_0603 -3034.37,1517.05 r90 top (schematic designator R15)
R15F "24.3k" RES_0603 -3044.41,615 r90 top (schematic designator R15)
R15G "24.3k" RES_0603 -1504.41,1515 r90 top (schematic designator R15)
R15H "24.3k" RES_0603 -1504.41,615 r90 top (schematic designator R15)
R16A "160R" RES_1206 -1355.95,3407.05 r0 top (schematic designator R16)
R16B "160R" RES_1206 -1355.95,2501.54 r0 top (schematic designator R16)
R16C "160R" RES_1206 -2891.38,3407.05 r0 top (schematic designator R16)
R16D "160R" RES_1206 -2891.38,2501.54 r0 top (schematic designator R16)
R16E "160R" RES_1206 -2886.38,1507.05 r0 top (schematic designator R16)
R16F "160R" RES_1206 -2896.42,605 r0 top (schematic designator R16)
R16G "160R" RES_1206 -1356.42,1505 r0 top (schematic designator R16)
R16H "160R" RES_1206 -1356.42,605 r0 top (schematic designator R16)
R17A "48.7" RES_0603 -2214.81,3482.05 r90 top (schematic designator R17)
R17B "48.7" RES_0603 -2214.81,2576.54 r90 top (schematic designator R17)
R17C "48.7" RES_0603 -3750.24,3482.05 r90 top (schematic designator R17)
R17D "48.7" RES_0603 -3750.24,2576.54 r90 top (schematic designator R17)
R17E "48.7" RES_0603 -3745.23,1582.05 r90 top (schematic designator R17)
R17F "48.7" RES_0603 -3755.28,680 r90 top (schematic designator R17)
R17G "48.7" RES_0603 -2215.28,1580 r90 top (schematic designator R17)
R17H "48.7" RES_0603 -2215.28,680 r90 top (schematic designator R17)
R18A "24.3k" RES_0603 -1503.94,3482.05 r90 top (schematic designator R18)
R18B "24.3k" RES_0603 -1503.94,2576.54 r90 top (schematic designator R18)
R18C "24.3k" RES_0603 -3039.38,3482.05 r90 top (schematic designator R18)
R18D "24.3k" RES_0603 -3039.38,2576.54 r90 top (schematic designator R18)
R18E "24.3k" RES_0603 -3034.37,1582.05 r90 top (schematic designator R18)
R18F "24.3k" RES_0603 -3044.41,680 r90 top (schematic designator R18)
R18G "24.3k" RES_0603 -1504.41,1580 r90 top (schematic designator R18)
R18H "24.3k" RES_0603 -1504.41,680 r90 top (schematic designator R18)
R19A "48.7" RES_0603 -2214.81,3567.05 r90 top (schematic designator R19)
R19B "48.7" RES_0603 -2214.81,2661.54 r90 top (schematic designator R19)